# Altium PCB RHR075_GFC_ECAT_DNET_RS485_ALL_rev5.PcbDoc (part 1 of 4) (continued)
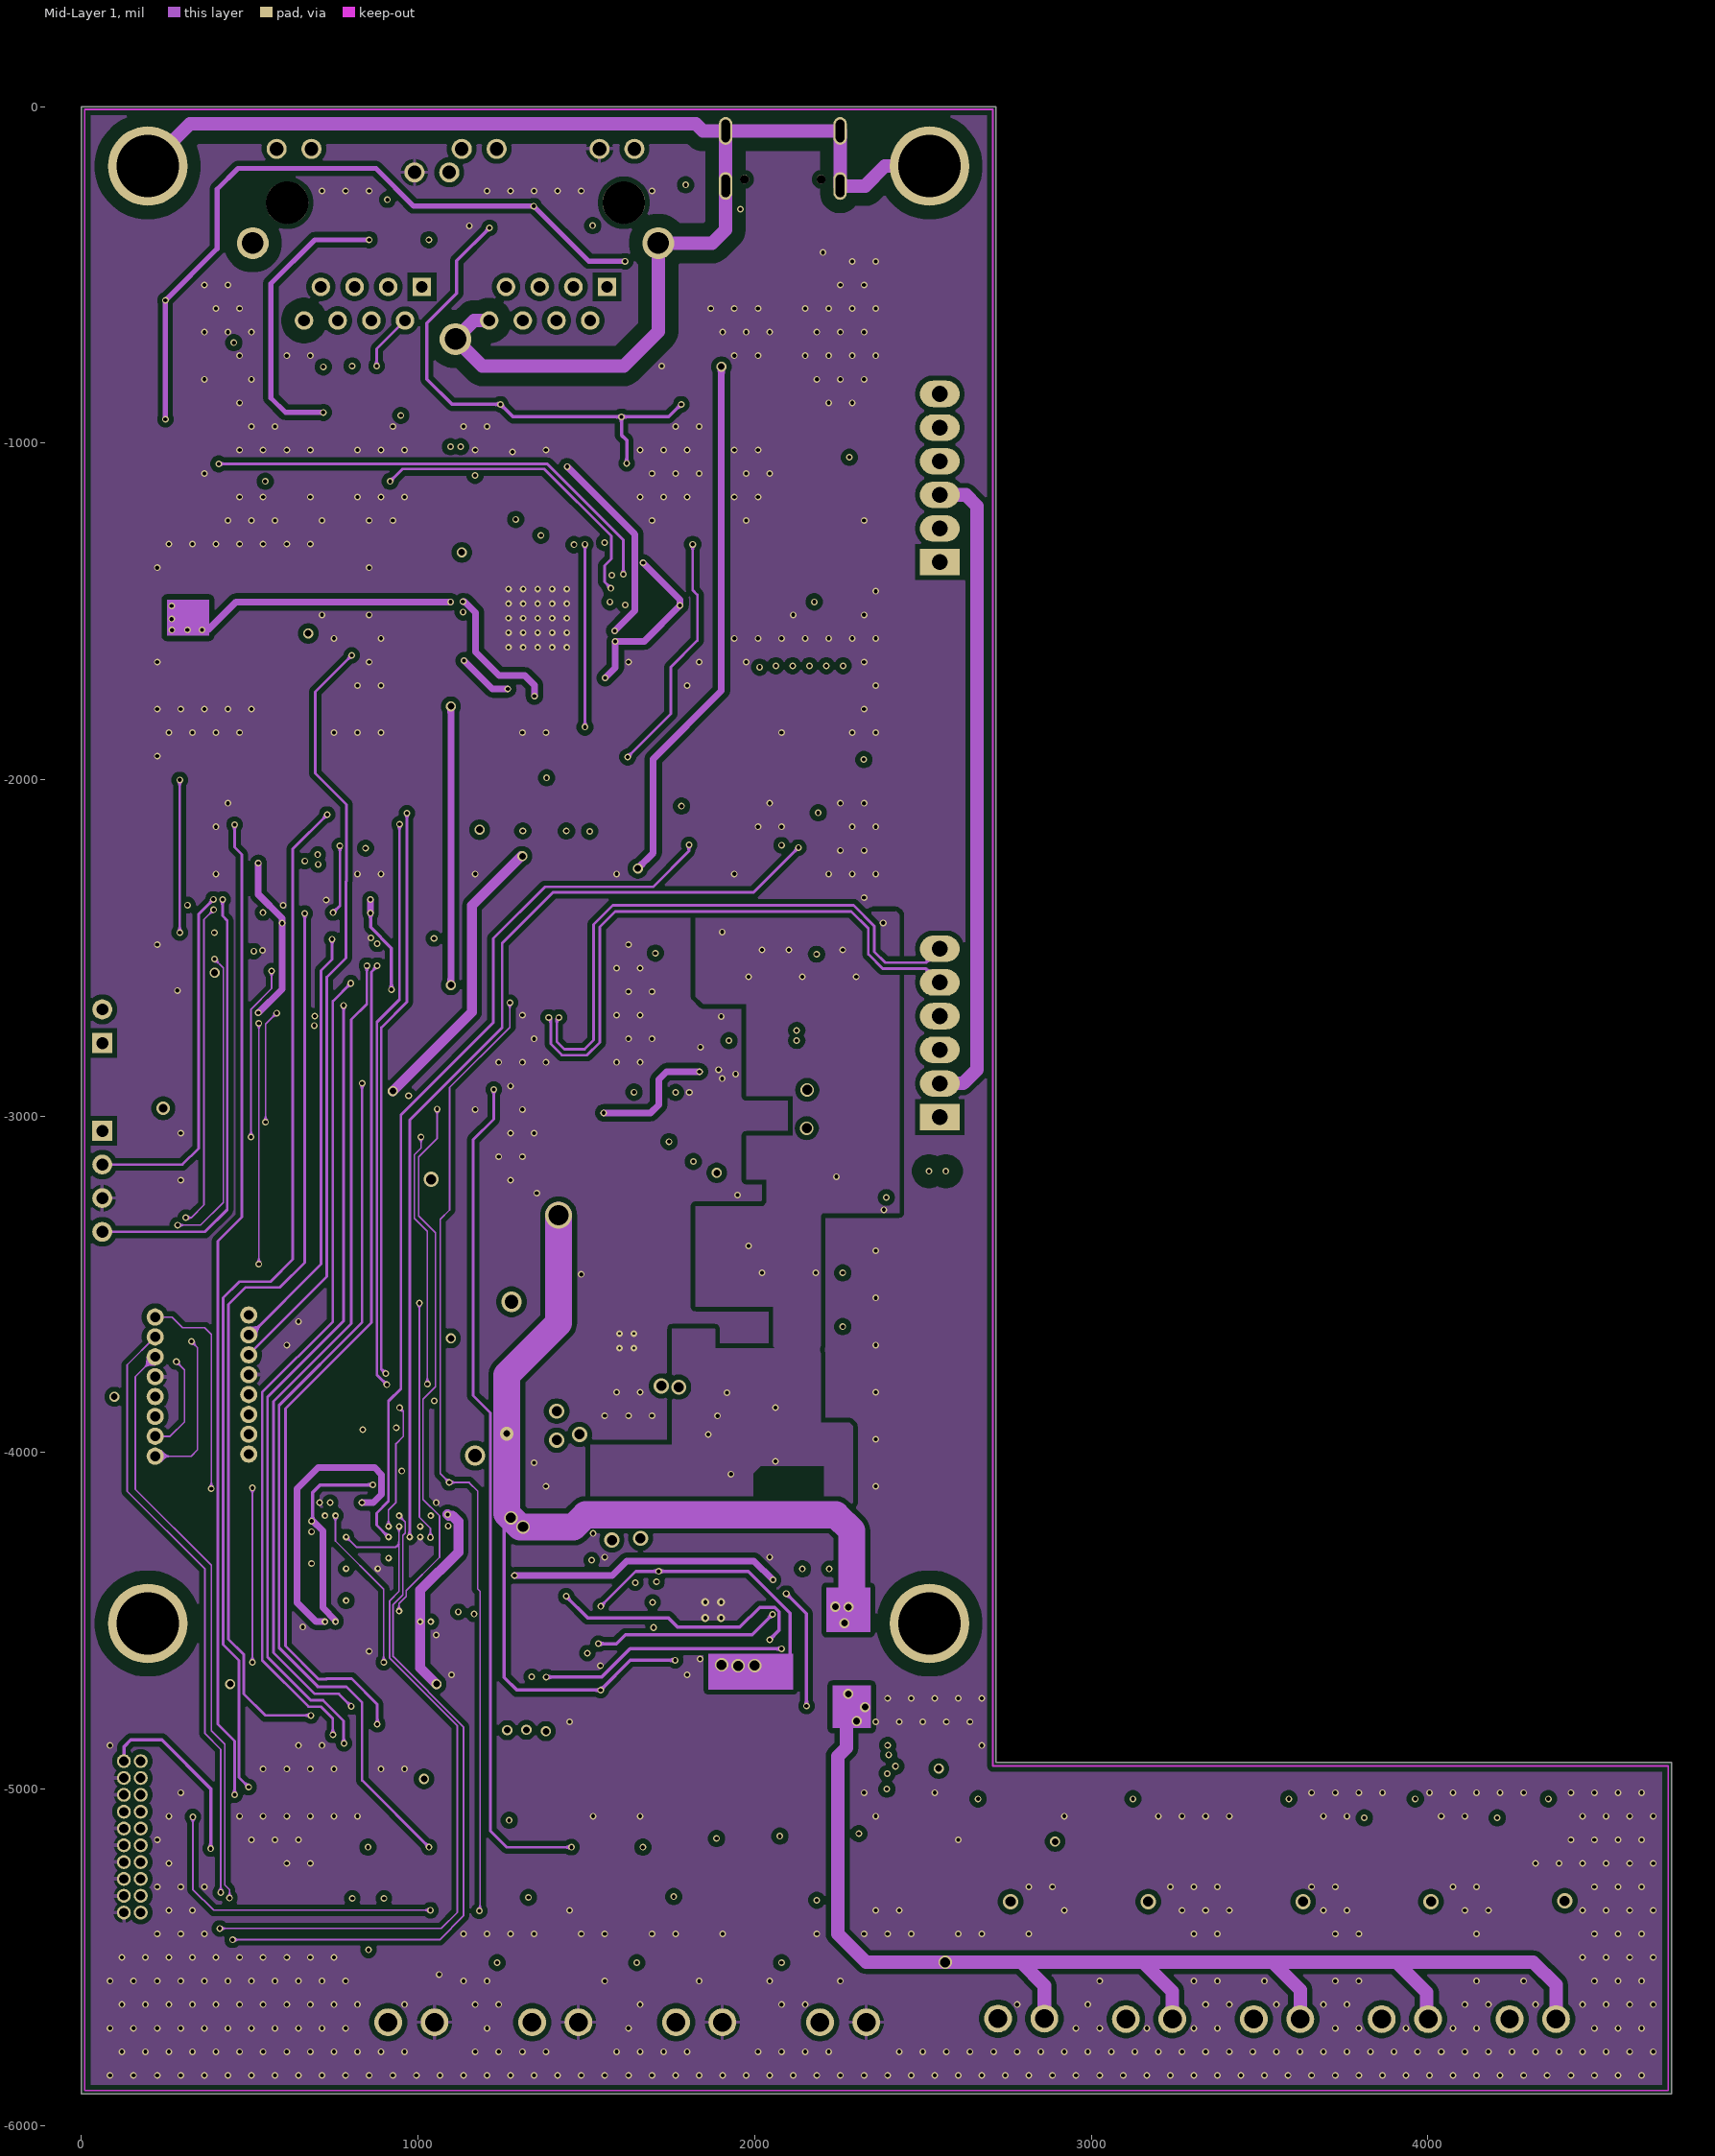
[diagram p3: Mid-Layer 1]
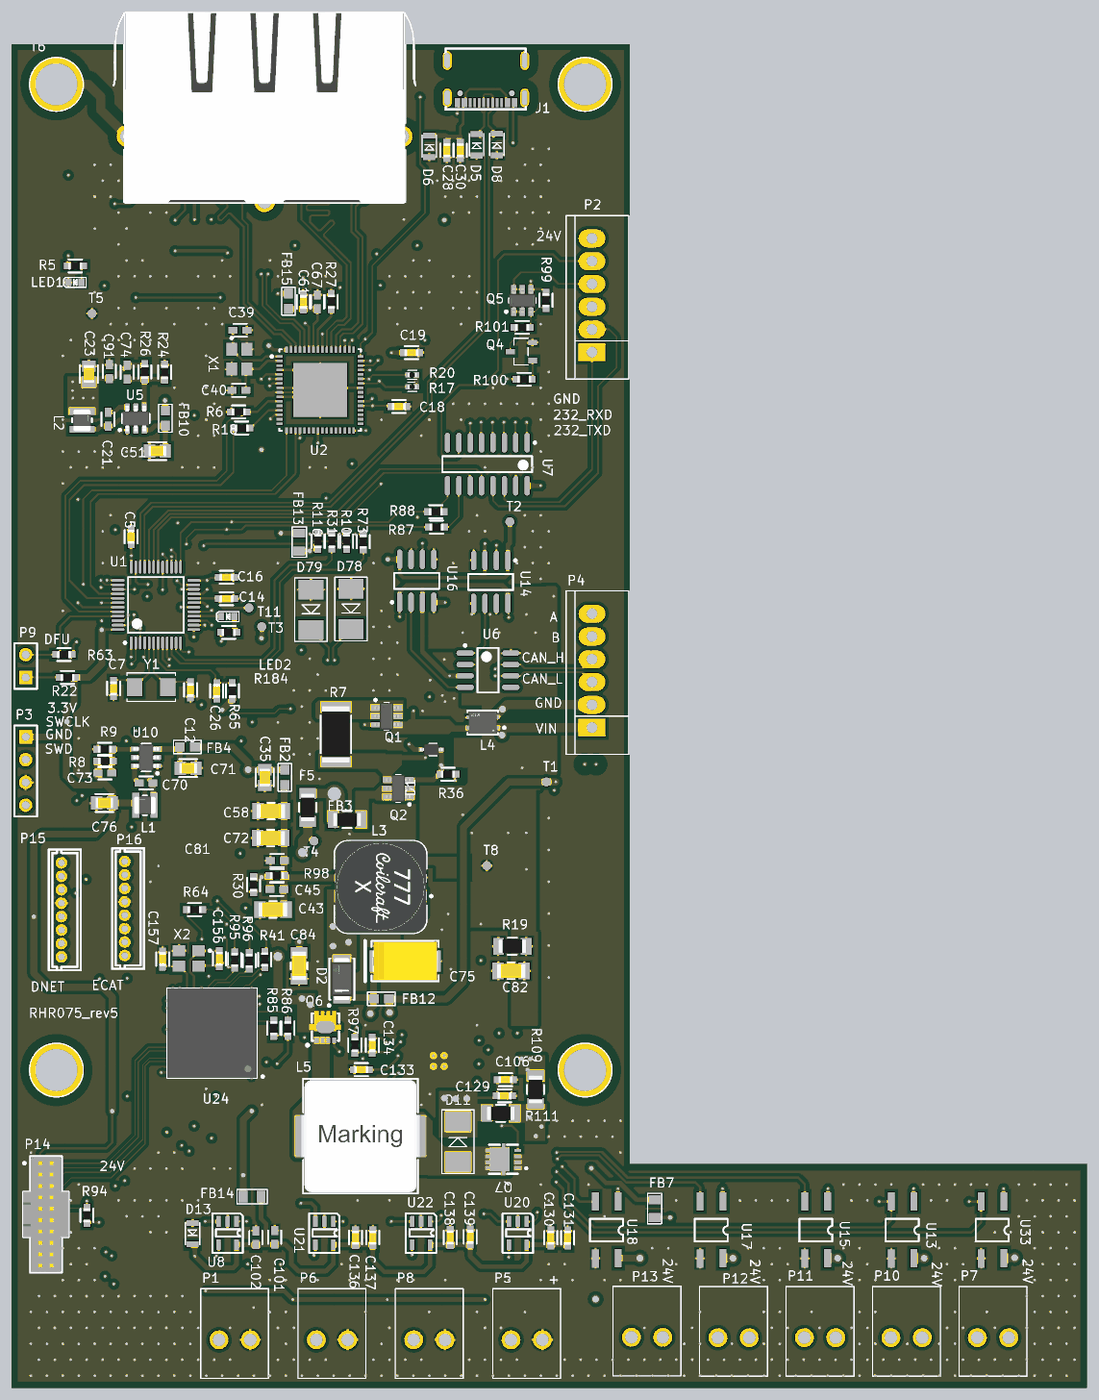
[diagram p7: 3D render of the assembled board from above, using the file's embedded part models]
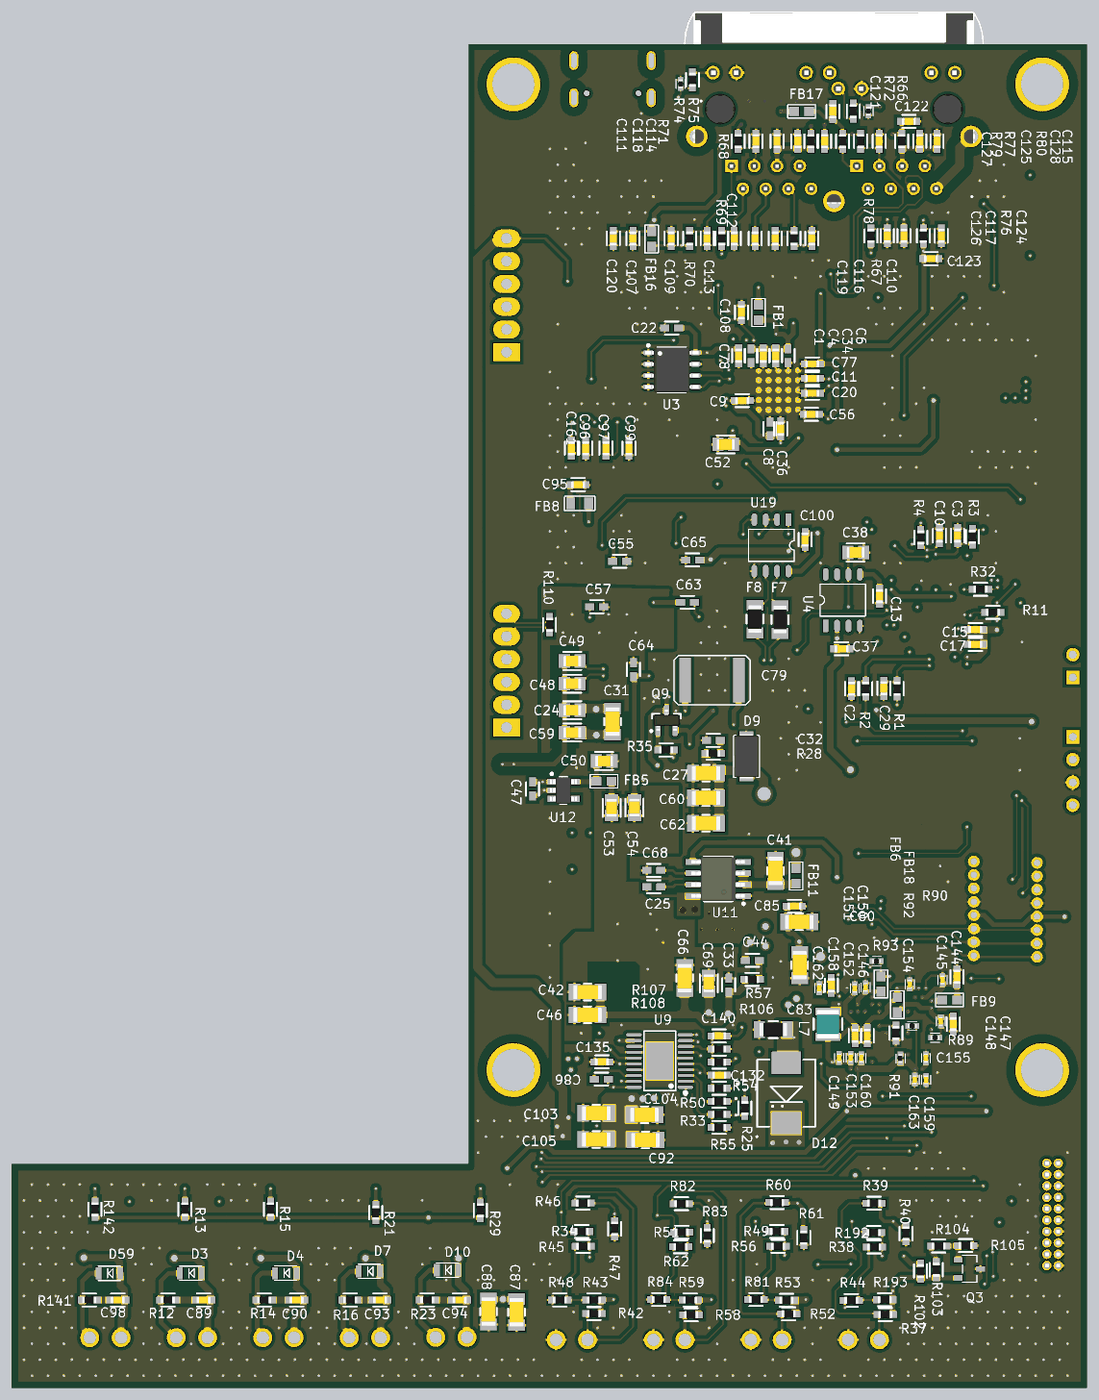
[diagram p8: 3D render of the assembled board from below, using the file's embedded part models]

## Layer stack, top to bottom
Top Solder: solder mask 0.4, Solder Resist, Dk 3.5
Top Layer: signal copper 1.4
Dielectric1: core 12.6, FR-4, Dk 4.8
GND: plane copper 1.4, net (Multiple Nets)
Dielectric6: prepreg 12.6, FR-4, Dk 4.8
Mid-Layer 1: signal copper 1.4
Dielectric2: core 12.6, FR-4, Dk 4.8
Bottom Layer: signal copper 1.4
Bottom Solder: solder mask 0.4, Solder Resist, Dk 3.5

## Board outline
0,-5905.51 4724.41,-5905.51 4724.41,-4921.26 2716.54,-4921.26 2716.54,0 0,0

## Design rules (kind name [scope] priority, off if disabled: settings)
Clearance Clearance_1 [InNetClass('diff')] p1: gap=20 ignorepadtopadclearanceinfootprint=FALSE except(0: Arc-Hole Track-Hole SMDPad-Hole THPad-Hole Via-Hole Fill-Hole Poly-Hole Region-Hole Text-Hole)
Clearance EARTH [InNet('EARTH')] p2: gap=40 ignorepadtopadclearanceinfootprint=FALSE except(0: Arc-Hole Track-Hole SMDPad-Hole THPad-Hole Via-Hole Fill-Hole Poly-Hole Region-Hole Text-Hole)
Clearance GND [InPolygon] p3: gap=15 ignorepadtopadclearanceinfootprint=FALSE except(0: Arc-Hole Track-Hole SMDPad-Hole THPad-Hole Via-Hole Fill-Hole Poly-Hole Region-Hole Text-Hole)
Clearance [All] p4: gap=5 ignorepadtopadclearanceinfootprint=FALSE except(0: Arc-Hole Track-Hole SMDPad-Hole THPad-Hole Via-Hole Fill-Hole Poly-Hole Region-Hole Text-Hole)
DiffPairsRouting [All] p1: maxlimit=50 minlimit=5 mostfreqgap=10 toplayer_minwidth=15 toplayer_maxwidth=15 toplayer_prefwidth=15 midlayer1_minwidth=15 midlayer1_maxwidth=15 midlayer1_prefwidth=15 bottomlayer_minwidth=15 bottomlayer_maxwidth=15 bottomlayer_prefwidth=15 maxuncoupledlength=500
MinimumSolderMaskSliver [All] p1: minsoldermaskwidth=3
PlaneClearance PlaneClearance_1 [InNet('EARTH')] p1: clearance=40
PlaneClearance [All] p2: clearance=20
PlaneConnect [All] p1: planeconnectstyle=Relief reliefexpansion=20 reliefentries=4 reliefconductorwidth=15 reliefairgap=10
PolygonConnect PolygonConnect_3 [L4-3 And  InPolygon] p1: connectstyle=Direct reliefconductorwidth=10 reliefentries=4 polygonreliefangle="90 Angle" airgapwidth=10
PolygonConnect PolygonConnect_2 [IsVia And InNet('AGND')] p2: connectstyle=Direct reliefconductorwidth=10 reliefentries=4 polygonreliefangle="90 Angle" airgapwidth=10
PolygonConnect PolygonConnect_1 [IsVia And InNet('ISO_PGND')] p3: connectstyle=Direct reliefconductorwidth=10 reliefentries=4 polygonreliefangle="90 Angle" airgapwidth=10
PolygonConnect [All] p4: connectstyle=Relief reliefconductorwidth=10 reliefentries=4 polygonreliefangle="90 Angle" airgapwidth=10
RoutingVias [All] p1: holewidth=12 width=20 viastyle="Through Hole" minholewidth=12 minwidth=20 maxholewidth=28 maxwidth=50
SilkToSilkClearance [All] p1: silktosilkclearance=2
SilkToSolderMaskClearance SilkscreenOverComponentPads [IsPad] p1: minsilkscreentomaskgap=0.5 clearancetoexposedcopper=TRUE
SolderMaskExpansion [All] p1: expansion=4 istentingtop=FALSE
Width [All] p1: maxlimit=200 minlimit=5 preferedwidth=10
24 further rules are at their usual default settings.

## Classes and differential pairs
component class DNET_Processor: C144 C145 C146 C147 C148 C149 C150 C151 C152 C153 C154 C155 C156 C157 C158 C159 C160 C162 C163 FB6 FB9 FB18 L7 P14 R41 R64 R85 R86 R89 R90 R91 R92 R93 R94 R95 R96 U24 X2
component class "ECAT RJ45": C107 C108 C109 C110 C111 C112 C113 C114 C115 C116 C117 C118 C119 C120 C121 C122 C123 C124 C125 C126 C127 C128 FB16 FB17 R66 R67 R68 R69 R70 R71 R72 R74 R75 R76 R77 R78 R79 R80 T12
component class CAN: C48 C49 C55 C57 C63 C64 C65 U6 U14 U16
component class connector: P2 P4 P15 P16 Q4 Q5 R99 R100 R101 T1 T2 T3 T4 T5 T6 T7 T8 T9 T10 T11
component class CPU: C2 C3 C5 C7 C10 C12 C13 C14 C15 C16 C17 C26 C28 C29 C30 C37 C38 D5 D6 D8 J1 LED1 LED2 P3 P9 R1 R2 R3 R4 R5 R11 R22 R32 R63 R65 R184 U1 U4 Y1
component class E_CAT: C1 C4 C6 C8 C9 C11 C18 C19 C20 C21 C22 C23 C34 C36 C39 C40 C51 C52 C56 C61 C67 C74 C77 C78 C91 FB1 FB10 FB15 L2 R6 R17 R18 R20 R24 R26 R27 U2 U3 U5 X1
component class POWER: C24 C25 C27 C31 C32 C33 C35 C41 C42 C43 C44 C45 C46 C47 C50 C53 C54 C58 C59 C60 C62 C66 C68 C69 C70 C71 C72 C73 C75 C76 C79 C80 C81 C82 C83 C84 C85 C86 C92 C103 C104 C105 C106 C129 C132 C133 C134 C135 C140 D1 D2 D9 D11 D12 F5 FB2 FB3 FB4 FB5 FB11 FB12 L1 L3 L4 L5 Q1 Q2 Q6 Q7 Q9 R7 R8 R9 R19 R25 R28 R30 R33 R35 R36 R50 R54 R55 R57 R97 R98 R106 R107 R108 R109 R111 U9 U10 U11 U12
component class relay: C87 C88 C89 C90 C93 C94 C98 D3 D4 D7 D10 D59 FB7 P7 P10 P11 P12 P13 R12 R13 R14 R15 R16 R21 R23 R29 R141 R142 U13 U15 U17 U18 U33
component class RS232: C95 C96 C97 C99 C161 FB8 R87 R88 U7
component class RS485: C100 D78 D79 F7 F8 FB13 R10 R31 R73 R110 R116 U19
component class sensor: C101 C102 C130 C131 C136 C137 C138 C139 D13 FB14 P1 P5 P6 P8 Q3 R34 R37 R38 R39 R40 R42 R43 R44 R45 R46 R47 R48 R49 R51 R52 R53 R56 R58 R59 R60 R61 R62 R81 R82 R83 R84 R102 R103 R104 R105 R192 R193 U8 U20 U21 U22
pad class "New Class": L4-3 U11-9
differential pair CAN: +CAN_P -CAN_N
differential pair PHY0_RX: +PHY0_RX_P -PHY0_RX_N
differential pair PHY0_TX: +PHY0_TX_P -PHY0_TX_N
differential pair PHY1_RX: +PHY1_RX_P -PHY1_RX_N
differential pair PHY1_TX: +PHY1_TX_P -PHY1_TX_N
differential pair RS485: +RS485_P -RS485_N
differential pair USB: +USB_P -USB_N

## Components (designator, comment, footprint, x,y, rotation, side; value= is the part's Value field where it differs from the comment)
C1 "1uF/50V" CAPC1608X092N_0603 1475.85,-1369.56 r270 bottom
C2 "0.1uF/50V" CAPC1608X092N_0603 1034,-2832 r90 bottom
C3 "0.1uF/50V" CAPC1608X092N_0603 568,-2159.69 r270 bottom
C4 "0.1uF/50V" CAPC1608X092N_0603 1421.6,-1369.56 r270 bottom
C5 "0.1uF/50V" CAPC1608X092N_0603 525,-2165 r270 top
C6 "1uF/50V" CAPC1608X092N_0603 1313.1,-1369.56 r270 bottom
C7 "20pF/25V" CAPC1608X092N_0603 448,-2831 r270 top value=20pF/50V
C8 "1uF/50V" CAPC1608X092N_0603 1392.48,-1690.47 r90 bottom
C9 "0.1uF/50V" CAPC1608X092N_0603 1514.48,-1566.47 r180 bottom
C10 "0.1uF/50V" CAPC1608X092N_0603 648,-2159.69 r270 bottom
C11 "0.1uF/50V" CAPC1608X092N_0603 1206.48,-1469.47 r0 bottom
C12 "20pF/25V" CAPC1608X092N_0603 786,-2837.79 r270 top value=20pF/50V
C13 "1uF/50V" CAPC1608X092N_0603 911,-2426 r270 bottom
C14 "0.1uF/50V" CAPC1608X092N_0603 944,-2437 r180 top
C15 "0.1uF/50V" CAPC1608X092N_0603 489.95,-2572.51 r180 bottom
C16 "0.1uF/50V" CAPC1608X092N_0603 944,-2343 r180 top
C17 "0.1uF/50V" CAPC1608X092N_0603 490,-2637.51 r180 bottom
C18 "0.1uF/50V" CAPC1608X092N_0603 1701.48,-1592.47 r0 top
C19 "0.1uF/50V" CAPC1608X092N_0603 1757,-1356 r0 top
C20 "0.1uF/50V" CAPC1608X092N_0603 1206.48,-1534.47 r0 bottom
C21 "0.1uF/50V" CAPC1608X092N_0603 423.48,-1648.47 r270 top
C22 "0.1uF/50V" CAPC1608X092N_0603 1824.48,-1247.47 r0 bottom
C23 "22u/25V" CAPC2012X127N_0805 339.48,-1449.47 r90 top
C24 "10p/500V" CAPC2012X127N_0805 2261,-2927 r0 bottom
C25 "0.1uF/50V" CAPC1608X092N_0603 1903.47,-3702.54 r0 bottom
C26 "0.1uF/50V" CAPC1608X092N_0603 901,-2841.73 r90 top
C27 "4.7u/50V" CAPC3216X156N_1206 1673.5,-3203.51 r0 bottom
C28 "1uF/50V" CAPC1608X092N_0603 1912.46,-467 r90 top
C29 "0.1uF/50V" CAPC1608X092N_0603 892,-2830 r90 bottom
C30 "0.1uF/50V" CAPC1608X092N_0603 1971.46,-467 r90 top
C31 "4.7u/50V" CAPC3216X156N_1206 2084,-2977 r90 bottom
C32 "0.1uF/50V" CAPC1608X092N_0603 1642,-3059.51 r0 bottom
C33 "0.1uF/50V" CAPC1608X092N_0603 1574,-4133.51 r90 bottom
C34 "0.1uF/50V" CAPC1608X092N_0603 1367.35,-1369.56 r270 bottom
C35 "10u/50V" CAPC2012X127N_0805 1112.53,-3222.46 r270 top
C36 "470p/50V" CAPC1608X092N_0603 1345.48,-1690.47 r90 bottom
C37 "1uF/50V" CAPC1608X092N_0603 1078,-2657 r0 bottom
C38 "10uF/50V" CAPC2012X127N_0805 1016,-2234 r0 bottom
C39 "10pF/50V" CAPC1608X092N_0603 1003.97,-1257.47 r0 top
C40 "10pF/50V" CAPC1608X092N_0603 998.48,-1521.47 r180 top
C41 "10u/50V" CAPC3216X156N_1206 1368,-3633 r90 bottom
C42 "100u" CAPC3216X156N_1206 2194,-4165 r0 bottom
C43 "47uF/25V" CAPC3216X156N_1206 1148.53,-3802.46 r180 top
C44 "22p/50V" CAPC1608X092N_0603 1470,-4026 r180 bottom
C45 "0.01uF/50V" CAPC1608X092N_0603 1164.53,-3714.46 r180 top value=0.01u/NC
C46 "47uF/25V" CAPC3216X156N_1206 2194,-4265.26 r0 bottom
C47 "0.1uF/50V" CAPC1608X092N_0603 2435.75,-3272.5 r270 bottom
C48 "10pF/50V" CAPC2012X127N_0805 2261,-2810.51 r0 bottom
C49 "10pF/50V" CAPC2012X127N_0805 2261,-2710.51 r0 bottom
C50 "2.2u/50V" CAPC2012X127N_0805 2121,-3150 r180 bottom
C51 "10uF/50V" CAPC2012X127N_0805 640.48,-1788.47 r180 top
C52 "10u/50V" CAPC2012X127N_0805 1587,-1759 r0 bottom
C53 "10u/50V" CAPC2012X127N_0805 2088,-3355.55 r270 bottom
C54 "10u/50V" CAPC2012X127N_0805 1988,-3355 r270 bottom
C55 "0.1uF/50V" CAPC1608X092N_0603 2053,-2272.51 r180 bottom
C56 "0.1uF/50V" CAPC1608X092N_0603 1211,-1627 r0 bottom
C57 "0.1uF/50V" CAPC1608X092N_0603 2153,-2472.51 r180 bottom
C58 "47uF/25V" CAPC3216X156N_1206 1140,-3370 r180 top
C59 "10p/500V" CAPC2012X127N_0805 2261,-3025 r0 bottom
C60 "4.7u/50V" CAPC3216X156N_1206 1673.5,-3311.51 r0 bottom
C61 "0.1uF/50V" CAPC1608X092N_0603 1282,-1133 r270 top
C62 "4.7u/50V" CAPC3216X156N_1206 1673.5,-3423.51 r0 bottom
C63 "0.1uF/50V" CAPC1608X092N_0603 1755,-2453 r0 bottom
C64 "0.1uF/50V" CAPC1608X092N_0603 1992,-2748 r90 bottom
C65 "0.1uF/50V" CAPC1608X092N_0603 1733,-2266.51 r0 bottom
C66 "47uF/25V" CAPC3216X156N_1206 1767,-4103.51 r90 bottom
C67 "1uF/50V" CAPC1608X092N_0603 1343.48,-1132.48 r90 top
C68 "1uF/50V" CAPC1608X092N_0603 1903.47,-3630.54 r0 bottom
C69 "10u/50V" CAPC2012X127N_0805 1661,-4126.51 r90 bottom
C70 "0.1uF/50V" CAPC1608X092N_0603 590.7,-3246.32 r0 top
C71 "10u/50V" CAPC2012X127N_0805 775.7,-3181.32 r0 top
C72 "47uF/25V" CAPC3216X156N_1206 1138.53,-3488.46 r180 top
C73 "0.1uF/50V" CAPC1608X092N_0603 410.7,-3202.32 r0 top
C74 "0.01uF/50V" CAPC1608X092N_0603 507.48,-1442.47 r270 top
C75 "TAJD107K016RNJ" AVX-TAJ-D-2_L 1729,-4029 r0 top
C76 "22u/25V" CAPC2012X127N_0805 407.7,-3334.32 r180 top
C77 "0.1uF/50V" CAPC1608X092N_0603 1206.48,-1405.47 r0 bottom
C78 "0.1uF/50V" CAPC1608X092N_0603 1530.1,-1369.56 r270 bottom
C79 "22u/50V" 2220c 1765,-2795 r180 bottom
C80 "22u/35V" CAPC3216X156N_1206 1264,-3856.5 r180 bottom
C81 "0.1uF/50V" CAPC1608X092N_0603 1166.53,-3587.46 r180 top
C82 "1000pF/2KV" CAPC3216X156N_1206 2195,-4072 r180 top
C83 "22u/35V" CAPC3216X156N_1206 1262,-4047 r270 bottom
C84 "22u/35V" CAPC3216X156N_1206 1263,-4050 r270 top
C85 "0.1uF/50V" CAPC1608X092N_0603 1285,-3788 r180 bottom
C86 "0.1uF/50V" CAPC1608X092N_0603 2133,-4548 r180 bottom
C87 "10u/50V" CAPC3216X156N_1206 2506,-5571.51 r270 bottom
C88 "10u/50V" CAPC3216X156N_1206 2629,-5568.51 r270 bottom
C89 "0.1uF/50V" CAPC1608X092N_0603 3881.04,-5518 r0 bottom
C90 "0.1uF/50V" CAPC1608X092N_0603 3471.98,-5518 r0 bottom
C91 "0.01u/50V" CAPC1608X092N_0603 429.48,-1438.47 r90 top
C92 "22u/35V" CAPC3216X156N_1206 1939.95,-4815 r180 bottom
C93 "0.1uF/50V" CAPC1608X092N_0603 3106.04,-5518 r0 bottom
C94 "0.1uF/50V" CAPC1608X092N_0603 2755.98,-5518 r0 bottom
C95 "0.1uF/50V" CAPC1608X092N_0603 2235,-1936 r180 bottom
C96 "0.1uF/50V" CAPC1608X092N_0603 2202,-1776 r270 bottom
C97 "0.1uF/50V" CAPC1608X092N_0603 2113,-1776 r270 bottom
C98 "0.1uF/50V" CAPC1608X092N_0603 4257.98,-5518 r0 bottom
C99 "0.1uF/50V" CAPC1608X092N_0603 2012,-1776 r270 bottom
C100 "0.1uF/50V" CAPC1608X092N_0603 1238,-2177 r90 bottom
C101 "0.1uF/50V" CAPC1608X092N_0603 1156,-5242 r90 top
C102 "10uF/25V" CAPC1608X092N_0603 1073,-5244 r90 top
C103 "22u/35V" CAPC3216X156N_1206 2156,-4697 r0 bottom
C104 "22u/35V" CAPC3216X156N_1206 1944,-4704 r180 bottom
C105 "22u/35V" CAPC3216X156N_1206 2156,-4813 r0 bottom
C106 "470nF/50V" CAPC1608X092N_0603 2170,-4550 r0 top
C107 "1uF/50V" CAPC1608X092N_0603 1994.46,-854 r270 bottom
C108 "1uF/50V" CAPC1608X092N_0603 1518,-1179 r90 bottom
C109 "0.1uF/50V" CAPC1608X092N_0603 1826.46,-854 r90 bottom
C110 "0.1uF/50V" CAPC1608X092N_0603 1208.46,-854 r90 bottom
C111 "10pF/50V" CAPC1608X092N_0603 1454.46,-427 r90 bottom
C112 "10pF/50V" CAPC1608X092N_0603 1549.46,-854 r270 bottom
C113 "10pF/50V" CAPC1608X092N_0603 1668.46,-854 r270 bottom
C114 "0.1uF/50V" CAPC1608X092N_0603 1270.46,-427 r90 bottom
C115 "0.1uF/50V" CAPC1608X092N_0603 658.46,-427 r90 bottom
C116 "10pF/50V" CAPC1608X092N_0603 1369.46,-854 r270 bottom
C117 "0.1uF/50V" CAPC1608X092N_0603 804,-843 r270 bottom
C118 "0.1uF/50V" CAPC1608X092N_0603 1361.46,-427 r90 bottom
C119 "0.1uF/50V" CAPC1608X092N_0603 1457.46,-854 r270 bottom
C120 "1uF/50V" CAPC1608X092N_0603 2080.46,-854 r270 bottom
C121 "1uF/50V" CAPC1608X092N_0603 1116,-296 r90 bottom
C122 "0.1uF/50V" CAPC1608X092N_0603 782,-340 r180 bottom
C123 "0.1uF/50V" CAPC1608X092N_0603 685,-943 r180 bottom
C124 "10pF/50V" CAPC1608X092N_0603 639.46,-843 r270 bottom
C125 "10pF/50V" CAPC1608X092N_0603 912.46,-427 r90 bottom
C126 "10pF/50V" CAPC1608X092N_0603 877,-843 r270 bottom
C127 "10pF/50V" CAPC1608X092N_0603 1152.46,-427 r90 bottom
C128 "0.1uF/50V" CAPC1608X092N_0603 734.46,-427 r90 bottom
C129 "470nF/50V" CAPC1608X092N_0603 2166,-4621 r0 top
C130 "0.1uF/50V" CAPC1608X092N_0603 2369,-5244.5 r90 top
C131 "10uF/25V" CAPC1608X092N_0603 2443,-5245 r90 top
C132 "820pF/50V" CAPC1608X092N_0603 1615.02,-4530.29 r180 bottom
C133 "22nF/50V" CAPC1608X092N_0603 1536,-4506 r180 top
C134 "1.2nF/50V" CAPC1608X092N_0603 1584.53,-4398.46 r90 top
C135 "1uF/50V" CAPC1608X092N_0603 2131,-4472 r180 bottom
C136 "0.1uF/50V" CAPC1608X092N_0603 1511,-5244 r90 top
C137 "10uF/25V" CAPC1608X092N_0603 1587,-5244 r90 top
C138 "0.1uF/50V" CAPC1608X092N_0603 1927,-5243 r90 top
C139 "10uF/25V" CAPC1608X092N_0603 2015,-5241 r90 top
C140 "68nF/50V" CAPC1608X092N_0603 1616,-4358 r0 bottom
C144 "10uF/25V" CAPC1608X092N_0603 571,-4098 r90 bottom
C145 "0.1uF/50V" CAPC1005X056N_0402 634,-4112 r90 bottom
C146 "0.1uF/50V" CAPC1005X056N_0402 972,-4144 r90 bottom
C147 "10uF/25V" CAPC1608X092N_0603 587,-4306 r270 bottom
C148 "0.1uF/50V" CAPC1005X056N_0402 642,-4294 r270 bottom
C149 "0.1uF/50V" CAPC1005X056N_0402 1089,-4455 r90 bottom
C150 "10uF/25V" CAPC1608X092N_0603 965,-4357 r270 bottom
C151 "10uF/25V" CAPC1608X092N_0603 1018,-4357 r270 bottom
C152 "0.1uF/50V" CAPC1005X056N_0402 1020,-4148.41 r90 bottom
C153 "0.1uF/50V" CAPC1005X056N_0402 1038,-4454 r90 bottom
C154 "0.1uF/50V" CAPC1005X056N_0402 778,-4131 r90 bottom
C155 "0.1uF/50V" CAPC1005X056N_0402 707.51,-4455.5 r90 bottom
C156 "10pF/50V" CAPC1608X092N_0603 913,-4019 r270 top
C157 "10pF/50V" CAPC1608X092N_0603 663.74,-4020.26 r90 top
C158 "10uF/25V" CAPC1608X092N_0603 1123,-4135 r90 bottom
C159 "0.1uF/50V" CAPC1005X056N_0402 706,-4551 r270 bottom
C160 "0.1uF/50V" CAPC1005X056N_0402 990.98,-4455.5 r90 bottom
C161 "0.1uF/50V" CAPC1608X092N_0603 2265,-1776 r270 bottom
C162 "0.1uF/50V" CAPC1005X056N_0402 1176,-4148 r90 bottom
C163 "0.1uF/50V" CAPC1005X056N_0402 756,-4550 r270 bottom
D1 "BZT52C12S-7-F" DIOD-SOD323-2_V 1846,-3100 r180 top
D2 "FSV340AF" ONSC-SMA-FL-2-403AD_V 1451,-4108 r90 top
D3 "1N4148WS" SOD323 3890.1,-5400.51 r0 bottom
D4 "1N4148WS" SOD323 3472.51,-5400 r0 bottom
D5 "CESDB5V0D3" SOD323 2043,-490 r90 top
D6 "CESDB5V0D3" SOD323 1835,-497 r90 top
D7 "1N4148WS" SOD323 3105.1,-5392 r0 bottom
D8 "CESDB5V0D3" SOD323 2132,-489 r90 top
D9 "SMAJ33CA" LFUS-DO-214AC-A-2_N 1496,-3129.51 r270 bottom
D10 "1N4148WS" SOD323 2762.1,-5387 r0 bottom